# Allegro board zp-dic_pda_8ch_board_v001_166_20241018_1809.brd (continued)
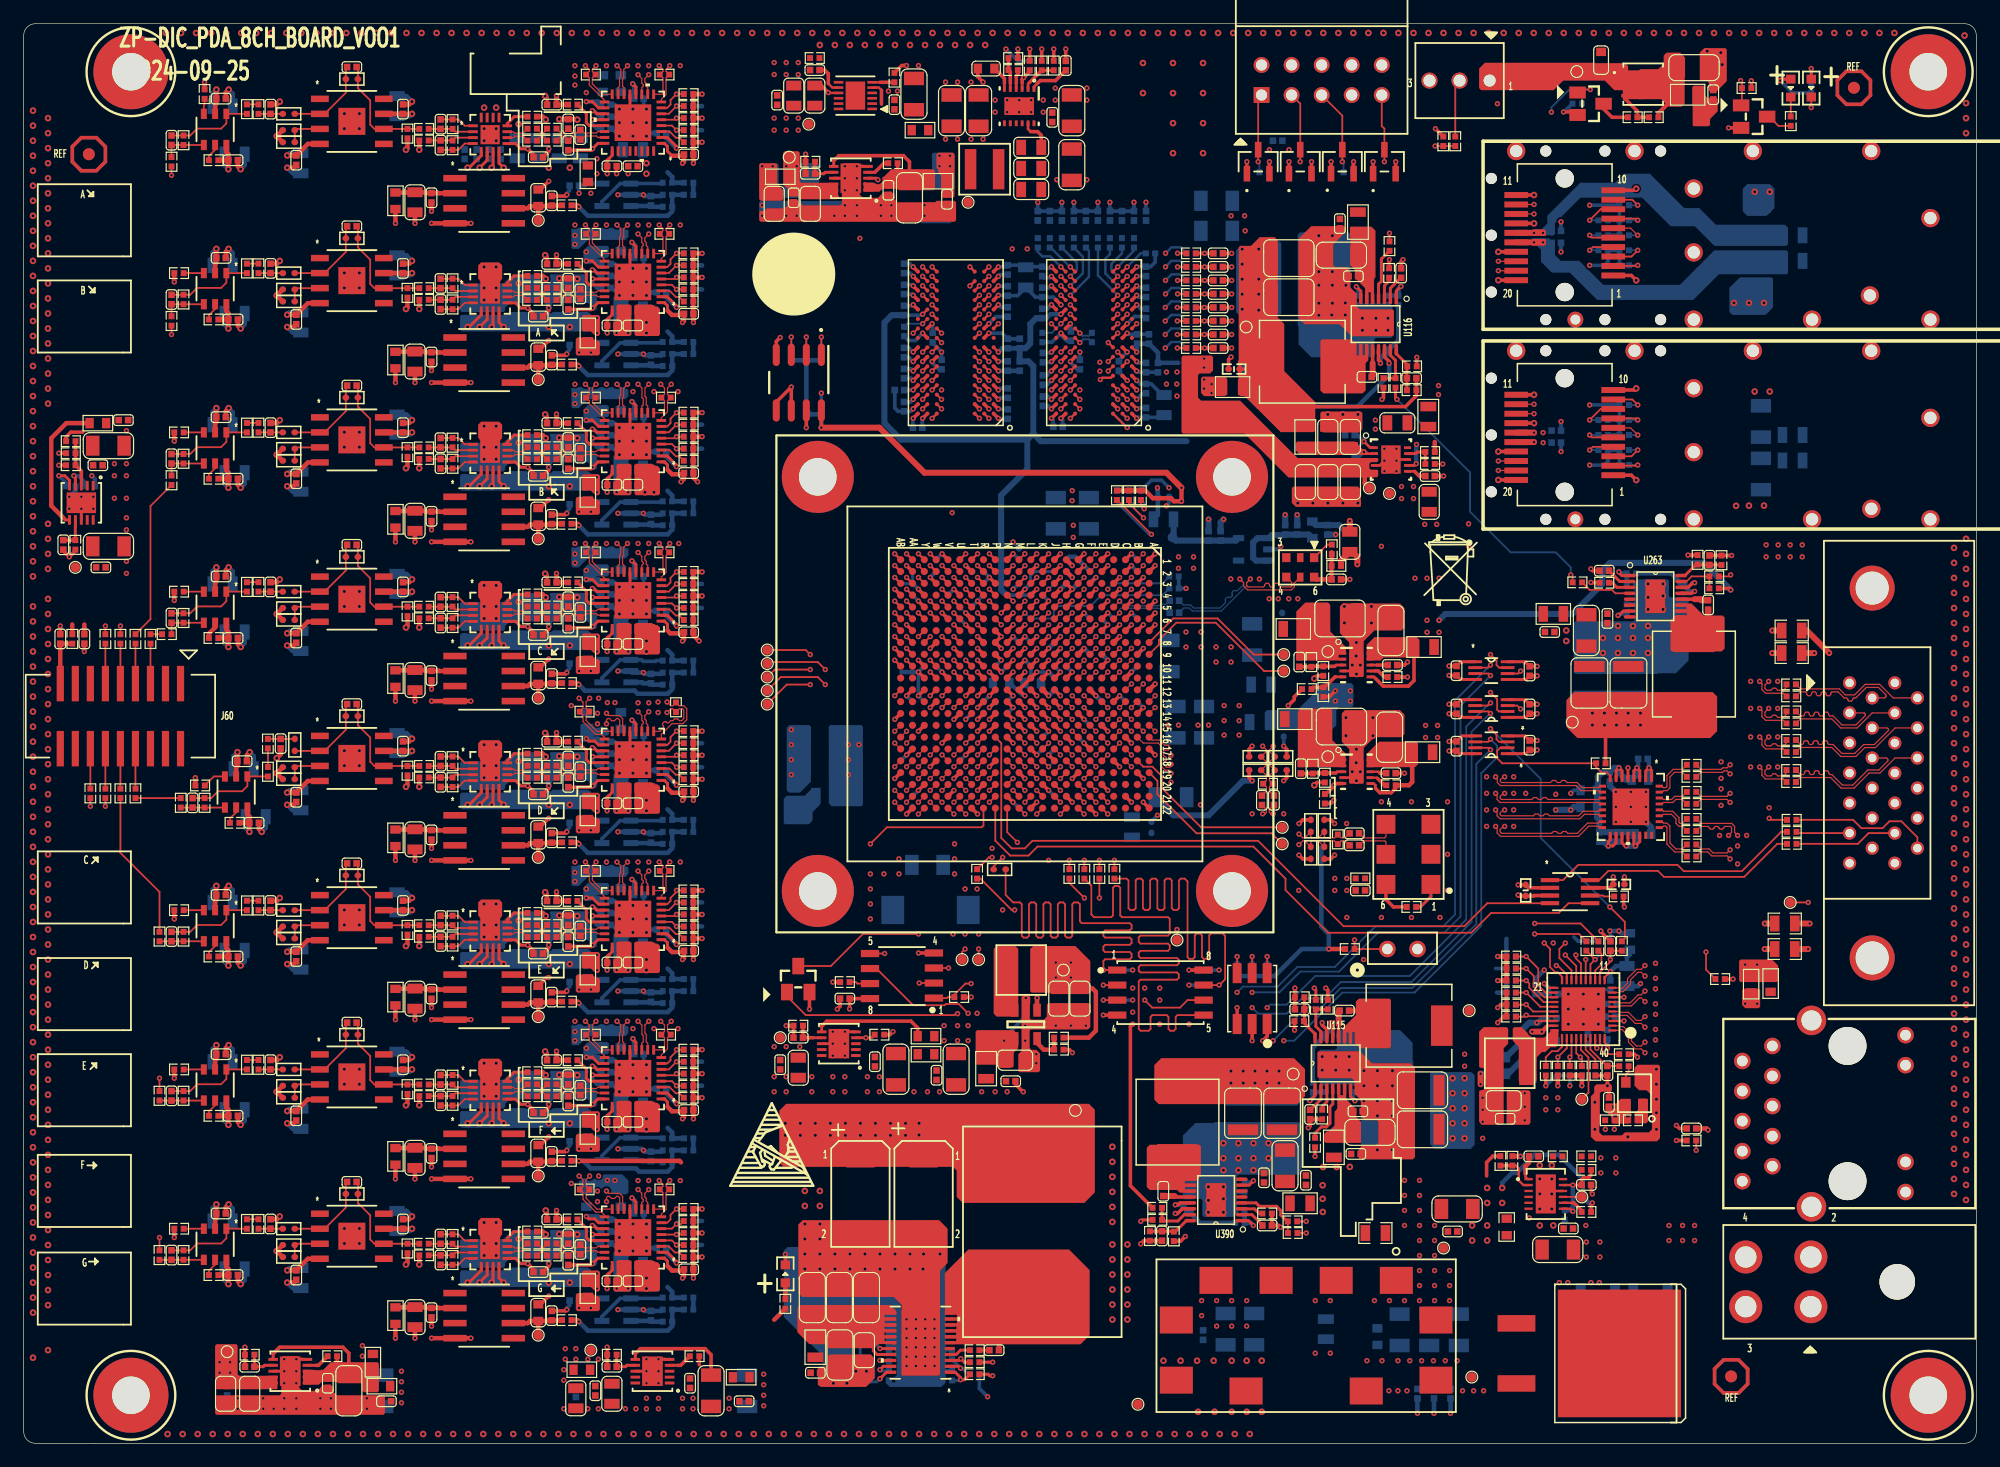
[diagram p0: board, top side]
## Placement (name value [footprint] x y rotation side) (continued)
C3001  10UF  [C0805]  33.07 10.67 270 top
C3002  0.1UF  [C0402]  34.46 11.05 90 top
C3003  1UF  [C0603]  43.48 11.05 90 top
C3004  0.1UF  [C0402]  44.62 10.8 270 top
C3009  0.1UF  [C0402]  112.44 51.56 180 top
C3010  0.1UF  [C0402]  112.44 50.55 180 top
C3011  0.1UF  [C0402]  140.93 26.62 0 top
C3012  0.1UF  [C0402]  134.08 42.04 90 top
C3015  0.47UF  [C0402]  66.47 107.32 180 top
C3016  10UF  [C0805]  66.47 104.78 270 bottom
C3017  10UF  [C0805]  65.45 31.75 270 bottom
C3021  10UF  [C0805]  49.7 4.19 270 bottom
C3036  0.1UF  [C0402]  127.25 62.07 90 top
C3037  0.1UF  [C0402]  121.08 62.07 90 top
C3038  0.1UF  [C0402]  121.08 58.93 90 top
C3039  0.1UF  [C0402]  127.25 59.01 90 top
C3040  0.1UF  [C0402]  121.08 65.31 270 top
C3041  0.1UF  [C0402]  127.25 65.28 270 top
C3050  10UF  [C1206]  77.39 105.28 270 bottom
C3051  10UF  [C1206]  74.85 105.28 270 top
C3052  10UF  [C1206]  78.79 31.62 270 top
C3053  10UF  [C1206]  73.71 31.62 270 top
C3068  0.1UF  [C0402]  3.09 68 90 top
C3069  0.1UF  [C0402]  5.13 68 270 top
C3079  0.1UF  [C0402]  8.43 86.49 180 top
C3080  10UF  [C1206]  7.16 84.33 0 top
C3081  0.1UF  [C0402]  6.27 82.68 180 top
C3084  0.1UF  [C0402]  6.52 74.04 180 top
C3086  10UF  [C1206]  7.16 75.82 0 top
C3087  0.1UF  [C0402]  3.35 75.95 90 top
C3088  2.7PF  [C0402]  27.73 75.95 0 top
C3089  470PF  [C0402]  46.02 71.14 270 top
C3090  3.3nF  [C0402]  20.86 72.39 90 top
C3091  470PF_DNP  [C0402]  47.04 70.23 270 top
C3092  470PF  [C0402]  46.02 69.32 270 top
C3093  1.3PF  [C0402]  12.49 69.76 90 top
C3094  0.1UF  [C0402]  43.48 68.33 0 top
C3095  10UF  [C0805]  23.41 67.82 270 bottom
C3096  0.1UF  [C0402]  23.03 68.07 270 top
C3097  0.1UF  [C0402]  32.05 72.39 90 top
C3098  10UF  [C0805]  31.54 72.64 90 bottom
C3101  0.1UF  [C0402]  17.7 68.07 0 top
C3102  10UF  [C0805]  17.83 68.58 0 bottom
C3103  10UF  [C0805]  47.04 69.09 90 bottom
C3104  0.1UF  [C0402]  39.29 68.58 90 bottom
C3105  10UF  [C0805]  41.7 69.09 90 bottom
C3106  0.1UF  [C0402]  38.27 68.58 90 bottom
C3107  10UF  [C0805]  43.48 69.09 90 bottom
C3108  0.1UF  [C0402]  37.26 68.58 90 bottom
C3109  10UF  [C0805]  45.26 69.09 90 bottom
C3110  0.1UF  [C0402]  40.31 68.58 90 bottom
C3111  2.7PF  [C0402]  27.73 62.48 0 top
C3112  470PF  [C0402]  46.02 57.68 270 top
C3114  470PF_DNP  [C0402]  47.04 56.77 270 top
C3115  470PF  [C0402]  46.02 55.86 270 top
C3116  1.3PF  [C0402]  14.27 54.14 90 top
C3117  0.1UF  [C0402]  43.48 54.86 0 top
C3118  10UF  [C0805]  18.59 57.02 0 bottom
C3119  0.1UF  [C0402]  23.03 54.61 270 top
C3120  0.1UF  [C0402]  32.05 58.93 90 top
C3121  10UF  [C0805]  31.54 59.18 90 bottom
C3124  0.1UF  [C0402]  19.48 52.45 0 top
C3125  10UF  [C0805]  19.6 52.96 0 bottom
C3126  10UF  [C0805]  41.7 55.63 90 bottom
C3127  0.1UF  [C0402]  38.27 55.12 90 bottom
C3128  10UF  [C0805]  47.04 55.63 90 bottom
C3129  0.1UF  [C0402]  40.31 55.12 90 bottom
C3130  10UF  [C0805]  45.26 55.63 90 bottom
C3131  0.1UF  [C0402]  37.26 55.12 90 bottom
C3132  10UF  [C0805]  43.48 55.63 90 bottom
C3133  0.1UF  [C0402]  39.29 55.12 90 bottom
C3134  2.7PF  [C0402]  27.73 89.41 0 top
C3135  470PF  [C0402]  46.02 84.6 270 top
C3137  470PF_DNP  [C0402]  47.04 83.69 270 top
C3138  470PF  [C0402]  46.02 82.78 270 top
C3139  1.3PF  [C0402]  12.49 83.22 90 top
C3140  0.1UF  [C0402]  43.48 81.79 0 top
C3141  10UF  [C0805]  16.81 86.11 0 bottom
C3142  0.1UF  [C0402]  23.03 81.53 270 top
C3143  0.1UF  [C0402]  32.05 85.85 90 top
C3144  10UF  [C0805]  31.54 86.11 90 bottom
C3147  0.1UF  [C0402]  17.7 81.53 0 top
C3148  10UF  [C0805]  17.83 82.04 0 bottom
C3149  10UF  [C0805]  47.04 82.55 90 bottom
C3150  0.1UF  [C0402]  40.31 82.04 90 bottom
C3151  10UF  [C0805]  41.7 82.55 90 bottom
C3152  0.1UF  [C0402]  37.26 82.04 90 bottom
C3153  10UF  [C0805]  43.48 82.55 90 bottom
C3154  0.1UF  [C0402]  39.29 82.04 90 bottom
C3155  10UF  [C0805]  45.26 82.55 90 bottom
C3156  0.1UF  [C0402]  38.27 82.04 90 bottom
C3157  2.7PF  [C0402]  27.73 49.02 0 top
C3158  470PF  [C0402]  46.02 44.22 270 top
C3160  470PF_DNP  [C0402]  47.04 43.31 270 top
C3161  470PF  [C0402]  46.02 42.4 270 top
C3162  1.3PF  [C0402]  12.49 42.84 90 top
C3163  0.1UF  [C0402]  43.48 41.4 0 top
C3164  10UF  [C0805]  23.41 40.89 270 bottom
C3165  0.1UF  [C0402]  16.68 46.36 0 top
C3166  0.1UF  [C0402]  32.05 45.47 90 top
C3167  10UF  [C0805]  31.54 45.72 90 bottom
C3170  0.1UF  [C0402]  17.7 41.15 0 top
C3171  10UF  [C0805]  17.83 41.66 0 bottom
C3172  10UF  [C0805]  43.48 42.16 90 bottom
C3173  0.1UF  [C0402]  39.29 41.66 90 bottom
C3174  10UF  [C0805]  45.26 42.16 90 bottom
C3175  0.1UF  [C0402]  37.26 41.66 90 bottom
C3176  10UF  [C0805]  41.7 42.16 90 bottom
C3177  0.1UF  [C0402]  40.31 41.66 90 bottom
C3178  10UF  [C0805]  47.04 42.16 90 bottom
C3179  0.1UF  [C0402]  38.27 41.66 90 bottom
C3180  2.7PF  [C0402]  27.73 102.87 0 top
C3181  470PF  [C0402]  46.02 98.06 270 top
C3183  470PF_DNP  [C0402]  47.04 97.16 270 top
C3184  470PF  [C0402]  46.02 96.25 270 top
C3185  1.3PF  [C0402]  12.49 96.69 90 top
C3186  0.1UF  [C0402]  43.48 95.25 0 top
C3187  10UF  [C0805]  23.41 94.74 270 bottom
C3188  0.1UF  [C0402]  16.68 100.2 0 top
C3189  0.1UF  [C0402]  32.05 99.31 90 top
C3190  10UF  [C0805]  31.54 99.57 90 bottom
C3193  0.1UF  [C0402]  17.7 95 0 top
C3194  10UF  [C0805]  17.83 95.5 0 bottom
C3195  10UF  [C0805]  43.48 96.01 90 bottom
C3196  0.1UF  [C0402]  38.27 95.5 90 bottom
C3197  10UF  [C0805]  41.7 96.01 90 bottom
C3198  0.1UF  [C0402]  37.26 95.5 90 bottom
C3199  10UF  [C0805]  45.26 96.01 90 bottom
C3200  0.1UF  [C0402]  39.29 95.5 90 bottom
C3201  10UF  [C0805]  47.04 96.01 90 bottom
C3202  0.1UF  [C0402]  40.31 95.5 90 bottom
C3203  2.7PF  [C0402]  27.73 35.56 0 top
C3204  470PF  [C0402]  46.02 30.75 270 top
C3206  470PF_DNP  [C0402]  47.04 29.85 270 top
C3207  470PF  [C0402]  46.02 28.94 270 top
C3208  1.3PF  [C0402]  12.49 29.38 90 top
C3209  0.1UF  [C0402]  43.48 27.94 0 top
C3210  10UF  [C0805]  23.41 27.43 270 bottom
C3211  0.1UF  [C0402]  16.68 32.89 0 top
C3212  0.1UF  [C0402]  32.05 32 90 top
C3213  10UF  [C0805]  31.54 32.26 90 bottom
C3216  0.1UF  [C0402]  17.7 27.69 0 top
C3217  10UF  [C0805]  17.83 28.19 0 bottom
C3218  10UF  [C0805]  47.04 28.7 90 bottom
C3219  0.1UF  [C0402]  40.31 28.19 90 bottom
C3220  10UF  [C0805]  41.7 28.7 90 bottom
C3221  0.1UF  [C0402]  37.26 28.19 90 bottom
C3222  10UF  [C0805]  45.26 28.7 90 bottom
C3223  0.1UF  [C0402]  39.29 28.19 90 bottom
C3224  10UF  [C0805]  43.48 28.7 90 bottom
C3225  0.1UF  [C0402]  38.27 28.19 90 bottom
C3226  2.7PF  [C0402]  27.73 116.33 0 top
C3227  470PF  [C0402]  46.02 111.53 270 top
C3229  470PF_DNP  [C0402]  47.04 110.62 270 top
C3230  470PF  [C0402]  46.02 109.71 270 top
C3231  1.3PF  [C0402]  12.49 110.15 90 top
C3232  0.1UF  [C0402]  43.48 108.71 0 top
C3233  10UF  [C0805]  23.41 108.2 270 bottom
C3234  0.1UF  [C0402]  16.68 113.67 0 top
C3235  0.1UF  [C0402]  32.05 112.78 90 top
C3236  10UF  [C0805]  31.54 113.03 90 bottom
C3239  0.1UF  [C0402]  17.7 108.46 0 top
C3240  10UF  [C0805]  17.83 108.97 0 bottom
C3241  10UF  [C0805]  43.48 109.47 90 bottom
C3242  0.1UF  [C0402]  37.26 108.97 90 bottom
C3243  10UF  [C0805]  45.26 109.47 90 bottom
C3244  0.1UF  [C0402]  38.27 108.97 90 bottom
C3245  10UF  [C0805]  47.04 109.47 90 bottom
C3246  0.1UF  [C0402]  40.31 108.97 90 bottom
C3247  10UF  [C0805]  41.7 109.47 90 bottom
C3248  0.1UF  [C0402]  39.29 108.97 90 bottom
C3249  2.7PF  [C0402]  27.73 22.1 0 top
C3250  470PF  [C0402]  46.02 17.29 270 top
C3252  470PF_DNP  [C0402]  47.04 16.38 270 top
C3253  470PF  [C0402]  46.02 15.47 270 top
C3254  1.3PF  [C0402]  12.49 15.91 90 top
C3255  0.1UF  [C0402]  43.48 14.48 0 top
C3256  10UF  [C0805]  23.41 13.97 270 bottom
C3257  0.1UF  [C0402]  16.68 19.43 0 top
C3258  0.1UF  [C0402]  32.05 18.54 90 top
C3259  10UF  [C0805]  31.54 18.8 90 bottom
C3262  0.1UF  [C0402]  17.7 14.22 0 top
C3263  10UF  [C0805]  17.83 14.73 0 bottom
C3264  10UF  [C0805]  43.48 15.24 90 bottom
C3265  0.1UF  [C0402]  38.27 14.73 90 bottom
C3266  10UF  [C0805]  41.7 15.24 90 bottom
C3267  0.1UF  [C0402]  40.31 14.73 90 bottom
C3268  10UF  [C0805]  45.26 15.24 90 bottom
C3269  0.1UF  [C0402]  39.29 14.73 90 bottom
C3270  10UF  [C0805]  47.04 15.24 90 bottom
C3271  0.1UF  [C0402]  37.26 14.73 90 bottom
C3272  0.1UF  [C0402]  49.2 71.76 180 bottom
C3273  0.1UF  [C0402]  49.2 70.74 180 bottom
C3274  0.1UF  [C0402]  56.19 68.55 180 top
C3275  0.1UF  [C0402]  53.89 70.36 0 bottom
C3276  0.1UF  [C0402]  49.2 72.77 180 bottom
C3277  0.1UF  [C0402]  49.7 67.56 180 top
C3278  0.1UF  [C0402]  51.99 73.28 180 bottom
C3279  10UF  [C0805]  51.48 68.96 180 bottom
C3280  0.1UF  [C0402]  51.48 67.56 0 top
C3283  0.1UF  [C0402]  44.62 72.77 0 top
C3284  0.1UF  [C0402]  46.53 65.91 0 bottom
C3285  0.1UF  [C0402]  53.01 64.64 270 bottom
C3286  0.1UF  [C0402]  56.19 55.09 180 top
C3287  0.1UF  [C0402]  49.2 58.29 180 bottom
C3288  0.1UF  [C0402]  49.2 57.28 180 bottom
C3289  0.1UF  [C0402]  49.7 54.1 180 top
C3290  0.1UF  [C0402]  53.89 56.9 0 bottom
C3291  0.1UF  [C0402]  49.2 59.31 180 bottom
C3292  0.1UF  [C0402]  51.99 59.82 180 bottom
C3293  10UF  [C0805]  51.48 55.5 180 bottom
C3294  0.1UF  [C0402]  51.48 54.1 0 top
C3297  0.1UF  [C0402]  44.62 59.31 0 top
C3298  0.1UF  [C0402]  46.53 52.45 0 bottom
C3299  0.1UF  [C0402]  53.01 51.18 270 bottom
C3300  0.1UF  [C0402]  49.2 84.2 180 bottom
C3301  0.1UF  [C0402]  49.2 85.22 180 bottom
C3302  0.1UF  [C0402]  56.19 82.02 180 top
C3303  0.1UF  [C0402]  53.89 83.82 0 bottom
C3304  0.1UF  [C0402]  49.2 86.23 180 bottom
C3305  0.1UF  [C0402]  49.7 81.03 180 top
C3306  0.1UF  [C0402]  51.99 86.74 180 bottom
C3307  10UF  [C0805]  51.48 82.42 180 bottom
C3308  0.1UF  [C0402]  51.48 81.03 0 top
C3311  0.1UF  [C0402]  44.62 86.23 0 top
C3312  0.1UF  [C0402]  46.53 79.38 0 bottom
C3313  0.1UF  [C0402]  53.01 78.11 270 bottom
C3314  0.1UF  [C0402]  49.2 44.83 180 bottom
C3315  0.1UF  [C0402]  56.19 41.63 180 top
C3316  0.1UF  [C0402]  49.2 43.82 180 bottom
C3317  0.1UF  [C0402]  49.7 40.64 180 top
C3318  0.1UF  [C0402]  49.2 45.85 180 bottom
C3319  0.1UF  [C0402]  53.89 43.43 0 bottom
C3320  0.1UF  [C0402]  51.99 46.36 180 bottom
C3321  10UF  [C0805]  51.48 42.04 180 bottom
C3322  0.1UF  [C0402]  51.48 40.64 0 top
C3325  0.1UF  [C0402]  44.62 45.85 0 top
C3326  0.1UF  [C0402]  46.53 38.99 0 bottom
C3327  0.1UF  [C0402]  53.01 37.72 270 bottom
C3328  0.1UF  [C0402]  49.2 98.68 180 bottom
C3329  0.1UF  [C0402]  56.19 95.48 180 top
C3330  0.1UF  [C0402]  49.2 97.66 180 bottom
C3331  0.1UF  [C0402]  53.89 97.28 0 bottom
C3332  0.1UF  [C0402]  49.7 94.49 180 top
C3333  0.1UF  [C0402]  49.2 99.7 180 bottom
C3334  0.1UF  [C0402]  51.99 100.2 180 bottom
C3335  10UF  [C0805]  51.48 95.89 180 bottom
C3336  0.1UF  [C0402]  51.48 94.49 0 top
C3339  0.1UF  [C0402]  44.62 99.7 0 top
C3340  0.1UF  [C0402]  46.53 92.84 0 bottom
C3341  0.1UF  [C0402]  53.01 91.57 270 bottom
C3342  0.1UF  [C0402]  56.19 28.17 180 top
C3343  0.1UF  [C0402]  49.2 31.37 180 bottom
C3344  0.1UF  [C0402]  49.2 30.35 180 bottom
C3345  0.1UF  [C0402]  49.2 32.39 180 bottom
C3346  0.1UF  [C0402]  53.89 29.97 0 bottom
C3347  0.1UF  [C0402]  49.7 27.18 180 top
C3348  0.1UF  [C0402]  51.99 32.89 180 bottom
C3349  10UF  [C0805]  51.48 28.58 180 bottom
C3350  0.1UF  [C0402]  51.48 27.18 0 top
C3353  0.1UF  [C0402]  44.62 32.39 0 top
C3354  0.1UF  [C0402]  46.53 25.53 0 bottom
C3355  0.1UF  [C0402]  53.01 24.26 270 bottom
C3356  0.1UF  [C0402]  56.19 108.94 180 top
C3357  0.1UF  [C0402]  49.2 111.13 180 bottom
C3358  0.1UF  [C0402]  49.2 112.14 180 bottom
C3359  0.1UF  [C0402]  49.2 113.16 180 bottom
C3360  0.1UF  [C0402]  49.7 107.95 180 top
C3361  0.1UF  [C0402]  53.89 110.74 0 bottom
C3362  0.1UF  [C0402]  51.99 113.67 180 bottom
C3363  10UF  [C0805]  51.48 109.35 180 bottom
C3364  0.1UF  [C0402]  51.48 107.95 0 top
C3367  0.1UF  [C0402]  44.62 113.16 0 top
C3368  0.1UF  [C0402]  46.53 106.3 0 bottom
C3369  0.1UF  [C0402]  53.01 105.03 270 bottom
C3370  0.1UF  [C0402]  49.2 16.89 180 bottom
C3371  0.1UF  [C0402]  49.2 17.91 180 bottom
C3372  0.1UF  [C0402]  56.19 14.71 180 top
C3373  0.1UF  [C0402]  49.7 13.72 180 top
C3374  0.1UF  [C0402]  49.2 18.92 180 bottom
C3375  0.1UF  [C0402]  53.89 16.51 0 bottom
C3376  0.1UF  [C0402]  51.99 19.43 180 bottom
C3377  10UF  [C0805]  51.48 15.11 180 bottom
C3378  0.1UF  [C0402]  51.48 13.72 0 top
C3381  0.1UF  [C0402]  44.62 18.92 0 top
C3382  0.1UF  [C0402]  46.53 12.07 0 bottom
C3383  0.1UF  [C0402]  53.01 10.8 270 bottom
C3384  0.1UF  [C0402]  108.35 22.24 270 top
C3385  22UF  [C1206]  106.59 23.46 90 top
C3386  0.1UF  [C0402]  104.81 22.45 270 top
C3387  0.1UF  [C0402]  96.3 21.31 270 top
C3388  47UF  [C1210]  103.03 27.9 270 bottom
C3389  47UF  [C1210]  106.33 27.9 270 top
C3390  47UF  [C1210]  106.33 27.9 270 bottom
C3391  47UF  [C1210]  103.03 27.9 270 top
C3392  4.7PF  [C0402]  96.19 17.53 270 top
C3393  0.01UF  [C0402]  105.08 18.42 0 top
C3394  1UF  [C0603]  98.46 20.29 90 bottom
C3395  10UF  [C0805]  16.81 72.64 0 bottom
C3396  0.1UF  [C0402]  16.68 73.28 0 top
C3397  10UF  [C0805]  23.41 54.36 270 bottom
C3398  0.1UF  [C0402]  18.46 57.66 0 top
C3399  10UF  [C0805]  23.41 81.28 270 bottom
C3400  0.1UF  [C0402]  16.68 86.74 0 top
C3401  10UF  [C0805]  16.81 45.72 0 bottom
C3402  0.1UF  [C0402]  23.03 41.15 270 top
C3403  10UF  [C0805]  16.81 99.57 0 bottom
C3404  0.1UF  [C0402]  23.03 95 270 top
C3405  10UF  [C0805]  16.81 32.26 0 bottom
C3406  0.1UF  [C0402]  23.03 27.69 270 top
C3407  10UF  [C0805]  16.81 113.03 0 bottom
C3408  0.1UF  [C0402]  23.03 108.46 270 top
C3409  10UF  [C0805]  16.81 18.8 0 bottom
C3410  0.1UF  [C0402]  23.03 14.22 270 top
C3411  10UF  [C1206]  30.4 4.45 270 bottom
C3412  0.1UF  [C0402]  30.65 3.56 0 top
C3413  10UF  [C1206]  27.48 4.45 270 top
C3414  0.1UF  [C0402]  25.7 5.08 90 top
C3415  10UF  [C0805]  17.06 4.19 270 top
C3416  10UF  [C0805]  19.1 4.19 270 top
C3417  0.1UF  [C0402]  17.19 4.45 90 bottom
C3418  0.47UF  [C0402]  19.1 6.48 180 top
C3419  10UF  [C1206]  75.23 114.05 90 top
C3420  0.1UF  [C0402]  73.58 113.16 270 top
C3421  10UF  [C0805]  66.85 113.92 90 top
C3422  10UF  [C0805]  65.07 113.92 90 top
C3423  0.1UF  [C0402]  63.67 113.54 270 top
C3424  0.47UF  [C0402]  66.85 116.08 180 top
C3425  10UF  [C0805]  46.66 3.81 270 top
C3426  0.1UF  [C0402]  46.66 4.32 90 bottom
C3427  10UF  [C0805]  63.42 104.78 270 top
C3428  0.1UF  [C0402]  63.42 105.16 90 bottom
C3514  470PF  [C0402]  35.23 69.34 270 top
C3515  470PF  [C0402]  35.23 71.12 90 top
C3516  3.3nF  [C0402]  21.71 59.14 270 top
C3517  3.3nF  [C0402]  20.86 85.85 90 top
C3518  3.3nF  [C0402]  20.86 45.47 90 top
C3519  3.3nF  [C0402]  20.86 99.31 90 top
C3520  3.3nF  [C0402]  20.86 32 90 top
C3521  3.3nF  [C0402]  20.86 112.78 90 top
C3522  3.3nF  [C0402]  20.86 18.54 90 top
C3523  470PF  [C0402]  35.23 57.66 90 top
C3524  470PF  [C0402]  35.23 55.88 270 top
C3525  470PF  [C0402]  35.23 84.58 90 top
C3526  470PF  [C0402]  35.23 82.8 270 top
C3527  470PF  [C0402]  35.23 44.2 90 top
C3528  470PF  [C0402]  35.23 42.42 270 top
C3529  470PF  [C0402]  35.23 98.04 90 top
C3530  470PF  [C0402]  35.23 96.27 270 top
C3531  470PF  [C0402]  35.23 30.73 90 top
C3532  470PF  [C0402]  35.23 28.96 270 top
C3533  470PF  [C0402]  35.23 111.51 90 top
C3534  470PF  [C0402]  35.23 109.73 270 top
C3535  470PF  [C0402]  35.23 17.27 90 top
C3536  470PF  [C0402]  35.23 15.49 270 top
CC1  330UF  [C2917X]  76.63 45.09 90 bottom
CC7  330UF  [C2917X]  70.71 21.08 180 top
CC8  330UF  [C2917X]  76.04 21.08 180 top
D2  BAT54SLT1G  [SOT-23]  104.31 108.33 0 top
D3  BAT54SLT1G  [SOT-23]  107.87 108.33 0 top
D4  BAT54SLT1G  [SOT-23]  111.43 108.33 0 top
D5  BAT54SLT1G  [SOT-23]  114.98 108.33 0 top
DS10  SML-LX0603GW-TR  [LED_0603]  149.32 114.55 270 top
DS18  SML-LX0603GW-TR  [LED_0603]  151.05 114.55 270 top
DS24  SML-LX0603GW-TR  [LED_0603]  64.36 14.33 90 top
J1  JTAG  [SBH11-PBPC-D05-ST-BK]  109.68 115.24 0 top
J6  KRJ-320DNL  [KRJ-320DNL_14P]  154.12 27.87 90 top
J18  -  [0039301040]  154.52 13.65 90 top
J60  -  [S8558]  8.17 61.47 180 top
J61  0022112032_DNP  [0022112032]  121.33 115.19 180 top
J75  -  [10226-55G3PC]  157.42 56.66 270 top
J77  -  [CON_2]  116.51 41.78 0 top
J78  -  [THS103J]  103.81 37.59 180 top
L3  BLM18SG121TN1D  [L0603]  82.6 64.26 0 bottom
L5  BLM18SG121TN1D  [L0603]  85.26 64.26 180 bottom
L6  BLM21SN300SN1D  [L0805]  149.47 102.11 180 bottom
L7  BLM21SN300SN1D  [L0805]  149.47 99.95 180 bottom
L34  BLM21SN300SN1D  [L0805]  104.44 60.96 0 bottom
L42  BLM18SG121TN1D  [L0603]  147.62 38.86 270 top
L45  BLM15PD121SN1D  [L0402]  134.03 27.31 180 top
L54  BLM15PD121SN1D  [L0402]  112.95 47.75 180 top
L85  0.44UH  [PA0513_441NLT]  86.07 17.78 270 top
L86  IHLP2525CZER2R2M01  [IHLP_2525CZ_01]  117.06 35.31 0 top
L89  BLM21SN300SN1D  [L0805]  66.9 8.13 90 top
L90  BLM21SN300SN1D  [L0805]  110.71 25.02 90 top
L91  BLM21SN300SN1D  [L0805]  67.78 54.74 0 bottom
L92  BLM21SN300SN1D  [L0805]  102.15 89.28 0 top
L93  BLM21SN300SN1D  [L0805]  112.74 103.23 270 top
L94  IHLP2525CZER2R2M01  [IHLP_2525CZ_01]  108.04 91.41 180 top
L95  BLM21SN300SN1D  [L0805]  108.3 85.06 270 top
L96  BLM21SN300SN1D  [L0805]  118.69 86.79 90 top
L97  IHLP2525CZER4R7M01  [IHLP_2525CZ_01]  141.14 65.02 270 top
L98  BLM21SN300SN1D  [L0805]  129.26 70.11 0 top
L99  BLM21SN300SN1D  [L0805]  118.2 58.42 180 top
L100  BLM21SN300SN1D  [L0805]  107.41 61.21 180 top
L101  BLM21SN300SN1D  [L0805]  118.33 67.31 180 top
L102  BLM21SN300SN1D  [L0805]  107.28 68.83 180 top
L111  BLM21SN300SN1D  [L0805]  81.33 31.67 90 top
L112  -  [NRS4018T2R2MDGJ]  84.29 40.01 0 top
L122  BLM18SG121TN1D  [L0603]  77.26 106.68 180 top
L125  BLM18SG121TN1D  [L0603]  76.25 32.89 180 top
L131  BLM18SG121TN1D  [L0603]  60.63 5.59 180 top
L134  BLM21SN300SN1D_DNP  [L0805]  140.61 114 180 top
L228  -  [XFL4020-472ME]  81.2 107.7 180 top
L233  BLM21SN300SN1D  [L0805]  104.57 64.14 0 bottom
L242  BLM18SG121TN1D  [L0603]  145.97 38.82 270 top
L243  BLM18SG121TN1D  [L0603]  135.73 42.42 270 bottom
L244  BLM18SG121TN1D  [L0603]  124.55 31.24 0 bottom
L245  BLM18SG121TN1D  [L0603]  124.55 32.64 0 bottom
L246  -  [NRS4018T2R2MDGJ]  125.57 32.13 0 top
L265  BLM21SN300SN1D  [L0805]  93.65 52.07 90 bottom
L282  BLM15PD121SN1D  [L0402]  110.92 74.17 0 top
L283  BLM18SG121TN1D  [L0603]  132.25 53.8 0 bottom
L287  BLM21SN300SN1D  [L0805]  96.31 78.11 0 bottom
L288  BLM18SG121TN1D  [L0603]  108.89 77.22 270 bottom
L290  BLM21SN300SN1D  [L0805]  149.47 85.23 180 bottom
L291  BLM21SN300SN1D  [L0805]  149.47 83.07 180 bottom
L299  BLM18SG121TN1D  [L0603]  31.42 64.64 90 top
L300  BLM18SG121TN1D  [L0603]  31.42 51.18 90 top
L301  BLM18SG121TN1D  [L0603]  31.42 78.11 90 top
L302  BLM18SG121TN1D  [L0603]  31.42 37.72 90 top
L303  BLM18SG121TN1D  [L0603]  31.42 91.57 90 top
L304  BLM18SG121TN1D  [L0603]  31.42 24.26 90 top
L305  BLM18SG121TN1D  [L0603]  31.42 105.03 90 top
L306  BLM18SG121TN1D  [L0603]  31.42 10.8 90 top
L309  BLM18SG121TN1D  [L0603]  47.16 6.22 180 top
L356  BLM18SG121TN1D  [L0603]  6.27 86.23 180 top
L357  MLF1005G2R2JT000  [L0402]  18.86 72.39 90 top
L358  MLF1005G2R2JT000  [L0402]  20.64 56.77 90 top
L359  MLF1005G2R2JT000  [L0402]  18.86 85.85 90 top
L360  MLF1005G2R2JT000  [L0402]  18.86 45.47 90 top
L361  MLF1005G2R2JT000  [L0402]  18.86 99.31 90 top
L362  MLF1005G2R2JT000  [L0402]  18.86 32 90 top
L363  MLF1005G2R2JT000  [L0402]  18.86 112.78 90 top
L364  MLF1005G2R2JT000  [L0402]  18.86 18.54 90 top
L365  BLM18SG121TN1D  [L0603]  47.67 66.93 90 top
L366  BLM18SG121TN1D  [L0603]  48.94 74.55 270 bottom
L367  BLM18SG121TN1D  [L0603]  50.47 74.55 270 bottom
L368  BLM18SG121TN1D  [L0603]  47.67 53.47 90 top
L369  BLM18SG121TN1D  [L0603]  47.54 61.09 270 bottom
L370  BLM18SG121TN1D  [L0603]  50.47 61.09 270 bottom
L371  BLM18SG121TN1D  [L0603]  47.67 80.39 90 top
L372  BLM18SG121TN1D  [L0603]  48.94 88.01 270 bottom
L373  BLM18SG121TN1D  [L0603]  50.47 88.01 270 bottom
L374  BLM18SG121TN1D  [L0603]  47.67 40.01 90 top
L375  BLM18SG121TN1D  [L0603]  48.94 47.63 270 bottom
L376  BLM18SG121TN1D  [L0603]  50.47 47.63 270 bottom
L377  BLM18SG121TN1D  [L0603]  47.67 93.85 90 top
L378  BLM18SG121TN1D  [L0603]  48.94 101.47 270 bottom
L379  BLM18SG121TN1D  [L0603]  50.47 101.47 270 bottom
L380  BLM18SG121TN1D  [L0603]  47.67 26.54 90 top
L381  BLM18SG121TN1D  [L0603]  48.94 34.16 270 bottom
L382  BLM18SG121TN1D  [L0603]  50.47 34.16 270 bottom
L383  BLM18SG121TN1D  [L0603]  47.67 107.32 90 top
L384  BLM18SG121TN1D  [L0603]  48.94 114.94 270 bottom
L385  BLM18SG121TN1D  [L0603]  50.47 114.94 270 bottom
L386  BLM18SG121TN1D  [L0603]  47.67 13.08 90 top
L387  BLM18SG121TN1D  [L0603]  47.54 20.7 270 bottom
L388  BLM18SG121TN1D  [L0603]  50.47 20.7 270 bottom
L389  BLM21SN300SN1D  [L0805]  107.86 20.29 180 top
L390  IHLP2525CZER2R2M01  [IHLP_2525CZ_01]  97.49 27.15 90 top
L391  BLM18SG121TN1D  [L0603]  30.27 4.83 180 top
L392  BLM18SG121TN1D  [L0603]  75.74 111 180 top
L393  BLM18SG121TN1D  [L0603]  63.93 107.06 180 top
L394  BLM18SG121TN1D_DNP  [L0603]  76.25 34.42 180 top
L395  BLM18SG121TN1D_DNP  [L0603]  29.51 6.86 270 top
MH1  MH_125_250  [MH_250H125]  160.94 4.06 0 top
MH2  MH_125_250  [MH_250H125]  9.06 4.06 0 top
MH3  MH_125_250  [MH_250H125]  9.06 115.94 0 top
MH4  MH_125_250  [MH_250H125]  160.94 115.94 0 top
NOREF  -  [#2]  9.06 4.06 0 top
NOREF#2  -  [#2]  201.22 110.49 0 top
NOREF#3  -  [#2]  277.62 124.21 0 top
NOREF#4  -  [#2]  -291.65 -194.63 0 top
NOREF#5  -  [#2]  -0.08 0 0 top
NOREF#6  -  [#2]  62.53 24.77 0 top
NOREF#7  -  [#2]  120.57 73.91 0 top
NOREF#8  -  [#2]  65.58 99.06 0 top
NOREF#9  -  [#2]  -0.08 0 0 top
NOREF#10  -  [#2]  9.06 4.06 0 top
P3  -  [0744410010_0747370010]  161.12 103.57 180 top
P4  0744410010_0747370010  [0744410010_0747370010#2]  161.12 86.68 180 top
Q1  PSMN1R1-40BS  [PSMN1R1]  133.83 7.6 270 top
Q10  -  [NDS331N]  65.45 39.24 0 top
Q15  -  [NDS331N]  146.22 112.14 270 top
Q20  CSD25402Q3A_DNP  [CSD25402]  136.85 114.88 0 top
Q21  NDS331N_DNP  [NDS331N]  132.4 113.23 270 top
R4  4.7K  [R0402]  97.2 73.28 180 bottom
R8  4.7K  [R0402]  95.22 100.58 0 bottom
R11  4.7K  [R0402]  135.25 99.57 0 bottom
R12  4.7K_DNP  [R0402]  135.25 100.84 0 bottom
R13  4.7K  [R0402]  135.25 102.11 0 bottom
R14  4.7K  [R0402]  133.47 103.38 180 bottom
R41  4.7K  [R0402_BGA]  91.11 69.22 90 bottom
R42  4.7K  [R0402]  97.2 72.26 180 bottom
R87  240  [R0402]  151.05 114.55 90 bottom
R165  100  [R0402_BGA]  88.11 74.19 90 bottom
R219  10K  [R0402]  112.06 86.23 180 bottom
R221  10K  [R0402]  112.44 83.82 90 bottom
R276  1K  [R0402_BGA]  87.1 58.19 90 bottom
R337  1K  [R0402]  92.38 80.14 90 top
R338  1K_DNP  [R0402]  94.41 80.14 90 top
R339  1K_DNP  [R0402]  93.39 80.14 90 top
R340  1K  [R0402]  93.39 80.14 270 bottom
R341  1K  [R0402]  94.41 80.14 270 bottom
R342  1K_DNP  [R0402]  92.38 80.14 270 bottom
R391  4.7K  [R0402]  135.25 104.65 0 bottom
R392  4.7K  [R0402]  135.25 103.38 0 bottom
R395  330  [R0402]  145.59 114.55 180 top
R396  330  [R0402]  149.32 111.76 90 top
R455  10K  [R0402]  111.93 107.44 180 bottom
R456  10K  [R0402]  104.82 107.44 180 bottom
R458  240  [R0402]  74.39 93.98 270 bottom
R460  40.2  [R0402]  90.77 101.47 270 bottom
R461  40.2  [R0402]  88.74 101.47 270 bottom
R462  40.2  [R0402]  91.79 101.47 270 bottom
R463  40.2  [R0402]  98.65 98.3 180 top
R464  40.2  [R0402]  98.65 99.44 180 bottom
R465  40.2  [R0402]  98.65 99.44 180 top
R466  40.2  [R0402]  98.65 100.58 180 bottom
R467  40.2  [R0402]  98.65 100.58 180 top
R468  40.2  [R0402]  85.69 101.47 270 bottom
R469  40.2  [R0402]  92.8 101.47 270 bottom
R470  40.2  [R0402]  98.65 96.01 180 bottom
R471  40.2  [R0402]  87.72 101.47 270 bottom
R472  40.2  [R0402]  89.76 101.47 270 bottom
R473  40.2  [R0402]  93.82 101.47 270 bottom
R474  40.2  [R0402]  86.71 101.47 270 bottom
R475  40.2  [R0402]  98.65 97.16 180 bottom
R476  40.2  [R0402]  98.65 94.87 180 top
R477  40.2  [R0402]  98.65 98.3 180 bottom
R478  40.2  [R0402]  98.65 96.01 180 top
R479  40.2  [R0402]  98.65 97.16 180 top
R480  40.2  [R0402]  98.65 93.73 180 bottom
R481  40.2  [R0402]  98.65 92.58 180 bottom
R482  40.2  [R0402]  98.65 92.58 180 top
R483  40.2  [R0402]  98.65 94.87 180 bottom
R484  40.2  [R0402]  98.65 93.73 180 top
R488  80.6  [R0402]  90.26 93.47 90 bottom
R490  240  [R0402]  86.07 93.47 270 bottom
R496  4.7K  [R0402]  92.38 40.01 180 bottom
R497  4.7K  [R0402]  92.38 37.47 180 bottom
R498  4.7K  [R0402]  99.61 38.74 0 bottom
R499  4.7K  [R0402]  67.4 91.95 90 bottom
R500  4.7K  [R0402]  66.13 91.95 90 bottom
R501  4.7K  [R0402]  64.86 91.95 90 bottom
R502  0  [R0402_BGA]  82.47 48.51 0 top
R503  0  [R0402]  89.63 48.13 270 top
R505  0  [R0402]  88.36 48.13 270 top
R507  0  [R0402]  80.56 48.13 270 top
R509  0  [R0402]  90.9 48.13 270 top
R511  0  [R0402]  92.17 48.13 270 top
R516  4.7K  [R0402]  133.47 102.11 180 bottom
R517  4.7K  [R0402]  133.47 100.84 180 bottom
R834  330  [R0402]  140.93 25.6 0 top
R835  330  [R0402]  143.35 39.24 0 top
R844  0  [R0402]  132.81 31.5 90 top
R845  2.49K  [R0402]  135.22 32.89 0 top
R848  0  [R0402]  135.98 27.31 180 top
R853  0  [R0402]  135.05 42.04 90 top
R854  0  [R0402]  133.06 42.04 90 top
R855  0  [R0402]  132.05 42.04 90 top
R858  0  [R0402]  135.22 31.88 180 top
R984  0_DNP  [R0402]  117.27 45.34 180 top
R1033  10K  [R0402]  132.05 19.56 180 top
R1034  10m  [R1206]  137.46 12.7 180 bottom
R1036  100K  [R0402]  129.63 24.26 180 top
R1037  680K  [R0402]  132.05 24.26 180 top
R1038  1M  [R0402]  130.22 19.3 90 bottom
R1039  1M  [R0402]  132.05 23.11 0 top
R1040  49.9K  [R0402]  124.78 23.88 270 top
R1041  100K  [R0402]  80.36 6.86 180 top
R1042  187K_DNP  [R0402]  71.09 5.33 0 bottom
R1043  100K  [R0402]  73.12 5.72 90 bottom
R1044  100K  [R0402]  73.12 7.37 270 bottom
R1045  20K  [R0402]  80.36 5.84 180 bottom
R1046  15K  [R0402]  78.45 5.72 270 bottom
R1047  10K  [R0402]  80.36 5.84 0 top
R1048  4.7K  [R0402]  78.45 7.49 90 bottom
R1049  0  [R0402]  80.36 7.87 0 top
R1050  124K_DNP  [R0402]  71.09 6.86 0 bottom
R1057  1M  [R0402]  107.82 37.7 180 top
R1058  10K  [R0402]  110.2 37.08 270 top
R1059  0  [R0402]  109.12 25.43 90 top
R1060  0  [R0402]  109.19 37.08 270 top
R1061  0_DNP  [R0402]  108.93 30.1 90 bottom
R1062  10  [R0603]  125.32 18.29 90 top
R1063  4.99K  [R0402]  125.8 23.88 90 top
R1064  0  [R0402]  109.95 30.1 270 bottom
R1065  52.3K  [R0402]  109.73 27.8 270 top
R1066  0_DNP  [R0402]  112.36 30.1 270 bottom
R1067  0  [R0402]  115.41 101.19 270 top
R1068  52.3K  [R0402]  115.38 98.92 90 top
R1069  0_DNP  [R0402]  112.74 96.62 90 bottom
R1070  0  [R0402]  115.16 96.62 90 bottom
R1071  0_DNP  [R0402]  116.17 96.62 270 bottom
R1072  1M  [R0402]  117.28 89.02 0 top
R1073  1.13M  [R0402]  117.31 91.03 0 top
R1074  10K  [R0402]  114.9 89.64 90 top
R1075  0  [R0402]  115.92 89.64 90 top
R1076  10K  [R0402]  142.85 72.27 180 top
R1077  0  [R0402]  131.29 72.77 0 top
R1078  0  [R0402]  142.85 73.28 180 top
R1079  0_DNP  [R0402]  135.86 73.54 0 bottom
R1080  0  [R0402]  135.86 72.52 180 bottom
R1083  52.3K  [R0402]  133.56 72.74 180 top
R1085  1M  [R0402]  143.47 74.65 90 top
R1086  316K  [R0402]  141.45 74.68 90 top
R1089  806K  [R0402]  107.79 35.69 180 top
R1091  10.2K  [R0402]  109.95 56.26 270 top
R1098  2.55K  [R0402]  108.93 57.02 90 top
R1100  10K  [R0402]  109.95 54.48 90 top
R1101  0  [R0402]  115.54 55.63 180 top
R1112  10K  [R0402]  109.82 63.5 90 top
R1113  5.9K  [R0402]  108.81 66.04 90 top
R1114  11.8K  [R0402]  109.82 65.28 270 top
R1115  0  [R0402]  115.66 64.77 180 top
R1116  0  [R0402]  108.42 63.75 180 top
R1129  158K  [R0402]  87.47 34.29 180 top
R1130  49.9K  [R0402]  87.47 33.27 0 top
R1138  10K  [R0402]  85.18 36.74 0 bottom
R1150  10K  [R0402]  72.31 34.54 180 top
R1196  100K_DNP  [R0402]  131.28 113.25 180 bottom
R1197  0_DNP  [R0402]  131.28 114.39 180 bottom
R1198  100K_DNP  [R0402]  137.74 112.09 180 top
R1882  287K  [R0402]  83.61 116.08 180 top
R1883  100K  [R0402]  83.61 117.09 0 top
R1884  0  [R0402]  86.03 116.46 270 top
R1885  100K  [R0402]  85.01 116.46 270 top
R1886  0  [R0402]  85.01 116.46 270 bottom
R1928  1K_DNP  [R0402]  119.96 110.06 270 top
R1929  0_DNP  [R0402]  120.97 110.06 270 top
R2047  0  [R0402]  132.81 31.5 270 bottom
R2048  0  [R0402]  127.73 38.35 90 bottom
R2050  4.7K  [R0402]  64.36 11.79 90 top
R2083  10K_DNP  [R0402]  56.69 7.37 0 top
R2084  0_DNP  [R0805]  148.81 43.94 180 top
R2085  0_DNP  [R0805]  148.81 41.78 180 top
R2086  0_DNP  [R0805]  149.4 66.8 180 top
R2087  0_DNP  [R0805]  149.4 68.7 180 top
R2120  4.7K  [R0402]  112.06 41.78 0 top
R2121  4.7K  [R0402]  110.54 75.57 270 top
R2122  0_DNP  [R0805]  114.22 17.78 180 top
R2123  0  [R0805]  110.03 9.65 90 bottom
R2124  0_DNP  [R0402]  149.4 50.67 180 top
R2125  0_DNP  [R0402]  149.4 51.69 180 top
R2126  0_DNP  [R0402]  149.4 52.71 180 top
R2127  100_DNP  [R0402]  105.14 55.75 180 top
R2129  100K_DNP  [R0402]  135.96 112.09 180 top
R2130  10m  [R1206]  133.02 12.7 180 bottom
R2135  4.7K  [R0402]  133.27 57.48 180 top
R2137  18K  [R0402]  65.45 35.31 180 top
R2139  49.9K  [R0402]  49.7 7.49 180 top
R2140  80.6  [R0402_BGA]  79.6 70.69 180 bottom
R2141  80.6  [R0402_BGA]  79.61 61.69 180 bottom
R2142  80.6  [R0402_BGA]  87.1 73.19 270 bottom
R2143  80.6  [R0402_BGA]  78.11 71.19 90 bottom
R2144  4.7K  [R0402]  133.47 85.23 180 bottom
R2145  4.7K  [R0402]  133.47 83.96 180 bottom
R2146  4.7K  [R0402]  135.25 82.69 0 bottom
R2147  4.7K_DNP  [R0402]  135.25 83.96 0 bottom
R2148  4.7K  [R0402]  135.25 85.23 0 bottom
R2149  4.7K  [R0402]  135.25 86.5 0 bottom
R2150  4.7K  [R0402]  135.25 87.77 0 bottom
R2151  4.7K  [R0402]  133.47 86.5 180 bottom
R2152  10K  [R0402]  79.04 37.72 180 top
R2153  4.7K  [R0402]  69.39 38.99 0 top
R2154  1K  [R0402_BGA]  102.54 40.01 90 bottom
R2155  1K  [R0402_BGA]  103.81 40.01 90 bottom
R2156  1K  [R0402_BGA]  105.08 40.01 90 bottom
R2184  0  [R0402]  45.89 64.26 0 top
R2185  0  [R0402]  45.89 50.8 0 top
R2186  0  [R0402]  45.89 77.72 0 top
R2187  0  [R0402]  45.89 37.34 0 top
R2196  0  [R0402]  45.89 91.19 0 top
R2197  0  [R0402]  45.89 23.88 0 top
R2198  0  [R0402]  45.89 104.65 0 top
R2199  0  [R0402]  45.89 10.41 0 top
R2204  1K  [R0402_BGA]  106.22 56.9 180 top
R2205  1K  [R0402_BGA]  104.06 56.9 0 top
R2206  1K  [R0402_BGA]  106.22 58.04 0 top
R2207  1K  [R0402_BGA]  104.06 58.04 180 top
R2208  1K  [R0402_BGA]  109.9 49.91 90 top
R2209  1K  [R0402_BGA]  109.9 52.2 270 top
R2210  100_DNP  [R0402]  111.04 51.05 270 top
R2211  1K  [R0402_BGA]  108.76 49.91 270 top
R2212  1K  [R0402_BGA]  108.76 52.2 90 top
R2213  0  [R0402]  140.94 57.35 0 top
R2214  0  [R0402]  140.94 56.34 0 top
R2215  0  [R0402]  140.94 55.07 0 top
R2216  0  [R0402]  140.94 54.05 0 top
R2217  0  [R0402]  140.94 52.78 0 top
R2218  0  [R0402]  140.94 51.77 0 top
R2219  0  [R0402]  140.94 50.62 0 top
R2220  0  [R0402]  140.94 49.61 0 top
R2221  0  [R0402]  149.36 64.15 180 top
R2222  0  [R0402]  149.36 63.14 180 top
R2223  0  [R0402]  149.36 60.85 180 top
R2224  0  [R0402]  149.36 61.87 180 top
